# Altium PCB smart-ring-main.PcbDoc (part 4 of 6)
Units mm, origin at the board's own origin, x right, y up, seen from the top; angles counter-clockwise.
Board outline 62.7 x 25.3 mm, 6 copper layers (S1 Copper top, S2 Flex copper top, S3 Flex copper inner 1, S4 Flex copper inner 2, S5 Flex copper bottom, S6 Copper bottom), stack 0.511 mm thick; 75 components, 47 nets, 265 pads, 262 vias.
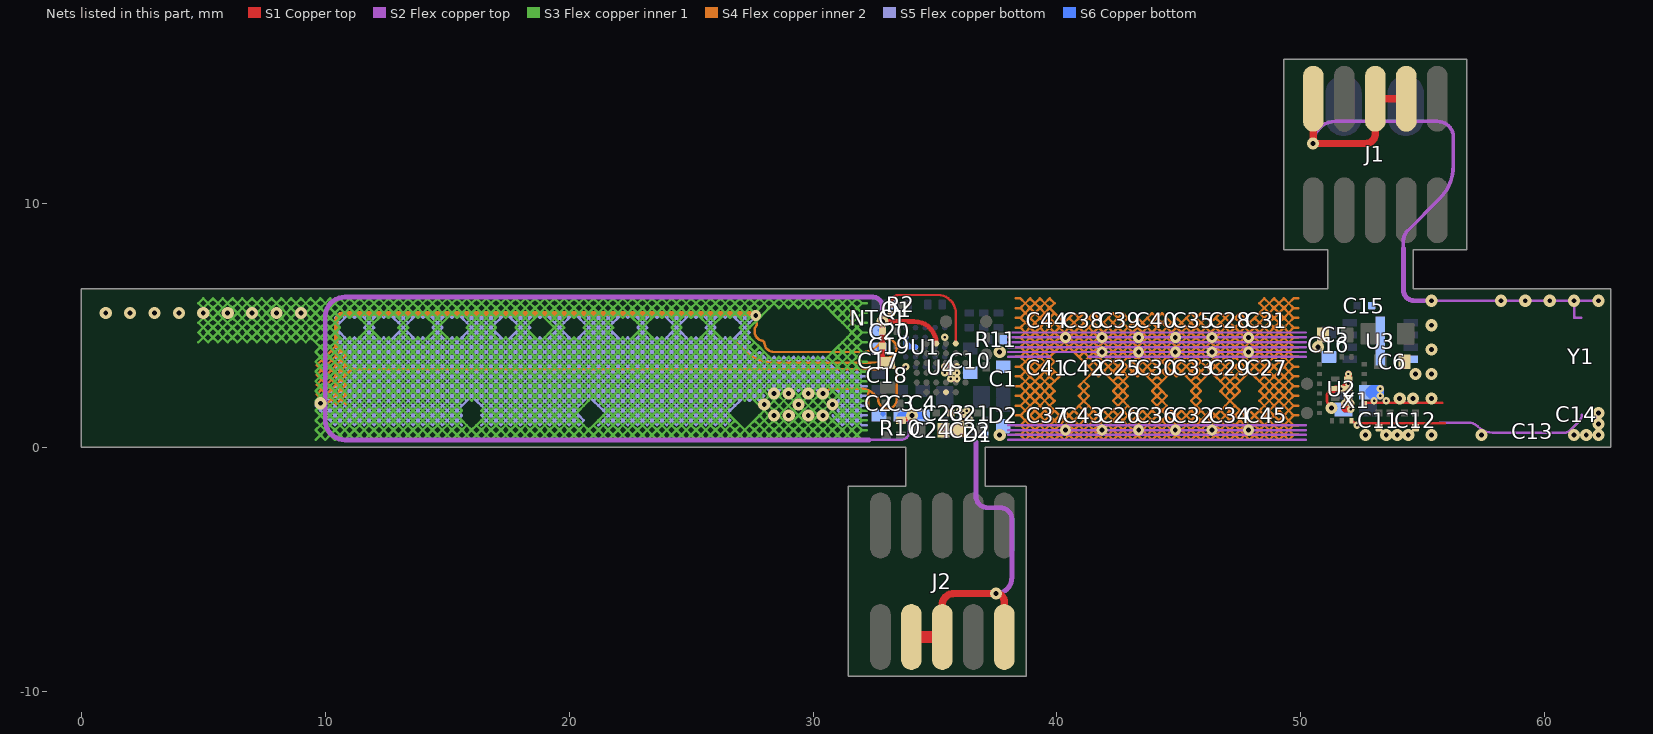
[diagram p8: the nets of this part, all layers, seen from the top]

## Via types
v1: diameter 0.45, hole 0.2, S2 Flex copper top to S5 Flex copper bottom, tented both sides, 61 vias
v2: diameter 0.5/0.5/0.5/0.5 (per signal layer), hole 0.2, S2 Flex copper top to S5 Flex copper bottom, 60 vias
v3: diameter 0.25/0.3 (per signal layer), hole 0.1, S1 Copper top to S2 Flex copper top, tented both sides, 40 vias
v4: diameter 0.4/0.5/0.5/0.5/0.5/0.4 (per signal layer), hole 0.2, S1 Copper top to S6 Copper bottom, tented both sides, 35 vias
v5: diameter 0.3/0.25 (per signal layer), hole 0.1, S5 Flex copper bottom to S6 Copper bottom, tented both sides, 34 vias
v6: diameter 0.5/0.5/0.5/0.5 (per signal layer), hole 0.2, S2 Flex copper top to S5 Flex copper bottom, tented both sides, 12 vias
v7: diameter 0.25, hole 0.1, S1 Copper top to S2 Flex copper top, tented both sides, 10 vias
v8: diameter 0.45/0.45/0.45/0.45 (per signal layer), hole 0.2, S2 Flex copper top to S5 Flex copper bottom, tented both sides, 4 vias
v9: diameter 0.4/0.45/0.45/0.45/0.45/0.4 (per signal layer), hole 0.2, S1 Copper top to S6 Copper bottom, tented both sides, 3 vias
v10: diameter 0.4, hole 0.2, S1 Copper top to S6 Copper bottom, tented both sides, 2 vias
v11: diameter 0.4/0.5/0.5/0.5/0.4/0.4 (per signal layer), hole 0.2, S1 Copper top to S6 Copper bottom, tented both sides, 1 vias

## Nets (pads, with @x,y where several pads share a name; then routed paths per layer and width w, separated by ;. In a path a pad name is that pad's centre, name@x,y a point inside that pad or via, vN(x,y) a via of type N, cw(c..) or ccw(c..) an arc to the next point about the centre after c; other vN are vias at no path point) (continued)
GND: (continued)
  S5 Flex copper bottom w0.1: 12.4,5.3 12.6,5.5 12.8,5.3 ; 12.4,5.301 12.201,5.5 12,5.3 ; 15.601,0.9 15.401,1.1 ; 15.6,5.301 15.401,5.5 15.2,5.3 15,5.5 14.8,5.3 ; 16.401,0.9 16.601,1.1 ; 18.801,5.3 19.001,5.5 19.201,5.3 ; 18.801,5.3 18.601,5.5 18.401,5.3 ; 19.401,5.1 19.201,5.3 ; 19.401,5.5 19.601,5.3 ; 19.401,5.5 19.201,5.3 ; 21.201,0.9 21.401,1.1 ; 25.801,3.099 26.001,2.899 ; v1@27.525,5.375 27.401,5.499 27.201,5.299 ; v1(27.65,5.4) 27.65,5.349 27.401,5.099 ; pad.1@30.801,1.299 31.001,1.099 ; pad.1@31.001,1.899 31.201,1.699 ; pad.1@31.001,1.899 31.201,2.099 ; 32.201,0.899 32.001,0.899 31.801,1.099 ; 32.201,1.299 32.001,1.299 ; 32.201,1.699 32.001,1.699 ; 32.201,2.099 32.001,2.099 ; 32.201,2.499 32.001,2.499 ; 32.201,2.899 32.001,2.899 ; 9.8,1.5 9.65,1.65 9.6,1.7 v6@9.8,1.9 ; 9.8,1.5 v6@10,1.7 ; 9.8,1.5 10,1.3 ; v6@9.8,1.9 v6@10,1.7 ; v6@9.8,1.9 10,2.1 ; 10,1.3 10.2,1.5 ; 10,1.3 10.2,1.1 ; v6@10,1.7 10.2,1.9 ; v6@10,1.7 10.2,1.5 ; 10,2.1 10.2,2.3 ; 10,2.1 10.2,1.9 ; 10.2,1.1 10.4,1.3 ; 10.2,1.1 10.4,0.9 10.6,1.1 ; 10.2,1.5 10.4,1.7 ; 10.2,1.5 10.4,1.3 ; 10.2,1.9 10.4,2.1 ; 10.2,1.9 10.4,1.7 ; 10.2,2.3 10.4,2.5 ; 10.2,2.3 10.4,2.1 ; 10.4,1.3 10.6,1.1 ; 10.4,1.3 10.6,1.5 ; 10.4,1.7 10.6,1.5 ; 10.4,1.7 10.6,1.9 ; 10.4,2.1 10.6,1.9 ; 10.4,2.1 10.6,2.3 ; 10.4,2.5 10.6,2.3 ; 10.4,2.5 10.6,2.7 ; 10.6,1.1 10.8,0.9 11,1.1 ; 10.6,1.1 10.8,1.3 ; 10.6,1.5 10.8,1.3 ; 10.6,1.5 10.8,1.7 ; 10.6,1.9 10.8,1.7 ; 10.6,1.9 10.8,2.1 ; 10.6,2.3 10.8,2.5 ; 10.6,2.3 10.8,2.1 ; 10.6,2.7 10.8,2.9 ; 10.6,2.7 10.4,2.9 10.6,3.1 ; 10.6,2.7 10.8,2.5 ; 10.6,3.1 10.8,2.9 ; 10.6,3.1 10.4,3.3 10.6,3.5 ; 10.6,3.1 10.8,3.3 ; 10.6,3.5 10.8,3.7 ; 10.6,3.5 10.4,3.7 10.6,3.9 ; 10.6,3.5 10.8,3.3 ; 10.6,3.9 10.8,4.1 ; 10.6,3.9 10.4,4.1 10.6,4.3 ; 10.6,3.9 10.8,3.7 ; 10.6,4.3 10.8,4.1 ; 10.6,4.3 10.4,4.5 10.6,4.7 ; 10.6,4.3 10.8,4.5 ; 10.6,4.7 10.4,4.9 10.6,5.1 ; 10.6,4.7 10.8,4.5 ; 10.6,5.1 10.4,5.3 10.6,5.5 10.8,5.3 ; 10.6,5.1 10.8,5.3 ; 10.8,1.3 11,1.5 ; 10.8,1.3 11,1.1 ; 10.8,1.7 11,1.9 ; 10.8,1.7 11,1.5 ; 10.8,2.1 11,1.9 ; 10.8,2.1 11,2.3 ; 10.8,2.5 11,2.7 ; 10.8,2.5 11,2.3 ; 10.8,2.9 11,3.1 ; 10.8,2.9 11,2.7 ; 10.8,3.3 11,3.1 ; 10.8,3.3 11,3.5 ; 10.8,3.7 11,3.9 ; 10.8,3.7 11,3.5 ; 10.8,4.1 11,4.3 ; 10.8,4.1 11,3.9 ; 10.8,4.5 11,4.3 ; 10.8,5.3 11,5.5 11.2,5.3 11.4,5.5 11.6,5.3 ; 11,1.1 11.2,0.9 11.4,1.1 ; 11,1.1 11.2,1.3 ; 11,1.5 11.2,1.7 ; 11,1.5 11.2,1.3 ; 11,1.9 11.2,1.7 ; 11,1.9 11.2,2.1 ; 11,2.3 11.2,2.5 ; 11,2.3 11.2,2.1 ; 11,2.7 11.2,2.9 ; 11,2.7 11.2,2.5 ; 11,3.1 11.2,2.9 ; 11,3.1 11.2,3.3 ; 11,3.5 11.2,3.7 ; 11,3.5 11.2,3.3 ; 11,3.9 11.2,4.1 ; 11,3.9 11.2,3.7 ; 11,4.3 11.2,4.1 ; 11,4.3 11.2,4.5 11.4,4.3 ; 11.2,1.3 11.4,1.5 ; 11.2,1.3 11.4,1.1 ; 11.2,1.7 11.4,1.9 ; 11.2,1.7 11.4,1.5 ; 11.2,2.1 11.4,1.9 ; 11.2,2.1 11.4,2.3 ; 11.2,2.5 11.4,2.7 ; 11.2,2.5 11.4,2.3 ; 11.2,2.9 11.4,3.1 ; 11.2,2.9 11.4,2.7 ; 11.2,3.3 11.4,3.5 ; 11.2,3.3 11.4,3.1 ; 11.2,3.7 11.4,3.9 ; 11.2,3.7 11.4,3.5 ; 11.2,4.1 11.4,4.3 ; 11.2,4.1 11.4,3.9 ; 11.4,1.1 11.6,0.9 11.8,1.1 ; 11.4,1.1 11.6,1.3 ; 11.4,1.5 11.6,1.7 ; 11.4,1.5 11.6,1.3 ; 11.4,1.9 11.6,2.1 ; 11.4,1.9 11.6,1.7 ; 11.4,2.3 11.6,2.5 ; 11.4,2.3 11.6,2.1 ; 11.4,2.7 11.6,2.9 ; 11.4,2.7 11.6,2.5 ; 11.4,3.1 11.6,2.9 ; 11.4,3.1 11.6,3.3 ; 11.4,3.5 11.6,3.7 ; 11.4,3.5 11.6,3.3 ; 11.4,3.9 11.6,4.1 ; 11.4,3.9 11.6,3.7 ; 11.4,4.3 11.6,4.1 ; 11.4,4.3 11.6,4.5 ; 11.6,1.3 11.8,1.1 ; 11.6,1.3 11.8,1.5 ; 11.6,1.7 11.8,1.9 ; 11.6,1.7 11.8,1.5 ; 11.6,2.1 11.8,2.3 ; 11.6,2.1 11.8,1.9 ; 11.6,2.5 11.8,2.3 ; 11.6,2.5 11.8,2.7 ; 11.6,2.9 11.8,3.1 ; 11.6,2.9 11.8,2.7 ; 11.6,3.3 11.8,3.5 ; 11.6,3.3 11.8,3.1 ; 11.6,3.7 11.8,3.9 ; 11.6,3.7 11.8,3.5 ; 11.6,4.1 11.8,3.9 ; 11.6,4.1 11.8,4.3 ; 11.6,4.5 11.8,4.7 ; 11.6,4.5 11.8,4.3 ; 11.6,5.3 11.8,5.5 12,5.3 ; 11.6,5.3 11.8,5.1 ; 11.8,1.1 12,1.3 ; 11.8,1.1 12,0.9 12.2,1.1 ; 11.8,1.5 12,1.3 ; 11.8,1.5 12,1.7 ; 11.8,1.9 12,2.1 ; 11.8,1.9 12,1.7 ; 11.8,2.3 12,2.5 ; 11.8,2.3 12,2.1 ; 11.8,2.7 12,2.5 ; 11.8,2.7 12,2.9 ; 11.8,3.1 12,3.3 ; 11.8,3.1 12,2.9 ; 11.8,3.5 12,3.3 ; 11.8,3.5 12,3.7 ; 11.8,3.9 12,4.1 ; 11.8,3.9 12,3.7 ; 11.8,4.3 12,4.1 ; 11.8,4.3 12,4.5 ; 11.8,4.7 11.6,4.9 11.8,5.1 ; 11.8,4.7 12,4.5 ; 11.8,4.7 12,4.9 11.8,5.1 ; 11.8,5.1 12,5.3 ; 12,1.3 12.2,1.5 ; 12,1.3 12.2,1.1 ; 12,1.7 12.2,1.9 ; 12,1.7 12.2,1.5 ; 12,2.1 12.2,2.3 ; 12,2.1 12.2,1.9 ; 12,2.5 12.2,2.7 ; 12,2.5 12.2,2.3 ; 12,2.9 12.2,2.7 ; 12,2.9 12.2,3.1 ; 12,3.3 12.2,3.5 ; 12,3.3 12.2,3.1 ; 12,3.7 12.2,3.5 ; 12,3.7 12.2,3.9 ; 12,4.1 12.2,3.9 ; 12,4.1 12.2,4.3 ; 12,4.5 12.2,4.3 ; 12.2,1.1 12.4,0.9 12.6,1.1 ; 12.2,1.1 12.4,1.3 ; 12.2,1.5 12.4,1.3 ; 12.2,1.5 12.4,1.7 ; 12.2,1.9 12.4,1.7 ; 12.2,1.9 12.4,2.1 ; 12.2,2.3 12.4,2.1 ; 12.2,2.3 12.4,2.5 ; 12.2,2.7 12.4,2.9 ; 12.2,2.7 12.4,2.5 ; 12.2,3.1 12.4,2.9 ; 12.2,3.1 12.4,3.3 ; 12.2,3.5 12.4,3.7 ; 12.2,3.5 12.4,3.3 ; 12.2,3.9 12.4,4.1 ; 12.2,3.9 12.4,3.7 ; 12.2,4.3 12.4,4.5 12.6,4.3 ; 12.2,4.3 12.4,4.1 ; 12.4,1.3 12.6,1.5 ; 12.4,1.3 12.6,1.1 ; 12.4,1.7 12.6,1.9 ; 12.4,1.7 12.6,1.5 ; 12.4,2.1 12.6,1.9 ; 12.4,2.1 12.6,2.3 ; 12.4,2.5 12.6,2.3 ; 12.4,2.5 12.6,2.7 ; 12.4,2.9 12.6,2.7 ; 12.4,2.9 12.6,3.1 ; 12.4,3.3 12.6,3.5 ; 12.4,3.3 12.6,3.1 ; 12.4,3.7 12.6,3.9 ; 12.4,3.7 12.6,3.5 ; 12.4,4.1 12.6,3.9 ; 12.4,4.1 12.6,4.3 ; 12.6,1.1 12.8,0.9 13,1.1 ; 12.6,1.1 12.8,1.3 ; 12.6,1.5 12.8,1.3 ; 12.6,1.5 12.8,1.7 ; 12.6,1.9 12.8,2.1 ; 12.6,1.9 12.8,1.7 ; 12.6,2.3 12.8,2.5 ; 12.6,2.3 12.8,2.1 ; 12.6,2.7 12.8,2.5 ; 12.6,2.7 12.8,2.9 ; 12.6,3.1 12.8,2.9 ; 12.6,3.1 12.8,3.3 ; 12.6,3.5 12.8,3.7 ; 12.6,3.5 12.8,3.3 ; 12.6,3.9 12.8,4.1 ; 12.6,3.9 12.8,3.7 ; 12.6,4.3 12.8,4.5 ; 12.6,4.3 12.8,4.1 ; 12.8,1.3 13,1.5 ; 12.8,1.3 13,1.1 ; 12.8,1.7 13,1.9 ; 12.8,1.7 13,1.5 ; 12.8,2.1 13,1.9 ; 12.8,2.1 13,2.3 ; 12.8,2.5 13,2.7 ; 12.8,2.5 13,2.3 ; 12.8,2.9 13,2.7 ; 12.8,2.9 13,3.1 ; 12.8,3.3 13,3.5 ; 12.8,3.3 13,3.1 ; 12.8,3.7 13,3.5 ; 12.8,3.7 13,3.9 ; 12.8,4.1 13,3.9 ; 12.8,4.1 13,4.3 ; 12.8,4.5 13,4.7 ; 12.8,4.5 13,4.3 ; 12.8,5.3 13,5.5 13.2,5.3 ; 12.8,5.3 13,5.1 ; 13,1.1 13.2,0.9 13.4,1.1 ; 13,1.1 13.2,1.3 ; 13,1.5 13.2,1.7 ; 13,1.5 13.2,1.3 ; 13,1.9 13.2,2.1 ; 13,1.9 13.2,1.7 ; 13,2.3 13.2,2.5 ; 13,2.3 13.2,2.1 ; 13,2.7 13.2,2.9 ; 13,2.7 13.2,2.5 ; 13.001,3.1 13.2,2.9 ; 13.001,3.1 13.2,3.3 ; 13,3.5 13.2,3.7 ; 13,3.5 13.2,3.3 ; 13,3.9 13.2,4.1 ; 13,3.9 13.2,3.7 ; 13,4.3 13.2,4.5 ; 13,4.3 13.2,4.1 ; 13,4.7 13.2,4.5 ; 13,4.7 13.2,4.9 ; 13,5.1 13.2,4.9 ; 13,5.1 13.2,5.3 ; 13.2,1.3 13.4,1.5 ; 13.2,1.3 13.4,1.1 ; 13.2,1.7 13.4,1.9 ; 13.2,1.7 13.4,1.5 ; 13.2,2.1 13.4,1.9 ; 13.2,2.1 13.4,2.3 ; 13.2,2.5 13.4,2.7 ; 13.2,2.5 13.4,2.3 ; 13.2,2.9 13.4,2.7 ; 13.2,2.9 13.4,3.1 ; 13.2,3.3 13.4,3.5 ; 13.2,3.3 13.4,3.1 ; 13.2,3.7 13.4,3.9 ; 13.2,3.7 13.4,3.5 ; 13.2,4.1 13.4,3.9 ; 13.2,4.1 13.4,4.3 ; 13.2,4.5 13.4,4.3 ; 13.2,4.5 13.4,4.7 ; 13.2,4.9 13.4,4.7 ; 13.2,4.9 13.4,5.1 ; 13.2,5.3 13.4,5.5 13.6,5.3 ; 13.2,5.3 13.4,5.1 ; 13.4,1.1 13.6,0.9 13.8,1.1 ; 13.4,1.1 13.6,1.3 ; 13.4,1.5 13.6,1.3 ; 13.4,1.5 13.6,1.7 ; 13.4,1.9 13.6,2.1 ; 13.4,1.9 13.6,1.7 ; 13.4,2.3 13.6,2.5 ; 13.4,2.3 13.6,2.1 ; 13.4,2.7 13.6,2.5 ; 13.4,2.7 13.6,2.9 ; 13.4,3.1 13.6,2.9 ; 13.4,3.1 13.6,3.3 ; 13.4,3.5 13.6,3.7 ; 13.4,3.5 13.6,3.3 ; 13.4,3.9 13.6,4.1 ; 13.4,3.9 13.6,3.7 ; 13.4,4.3 13.6,4.1 ; 13.4,4.3 13.6,4.5 ; 13.4,4.7 13.6,4.5 ; 13.4,5.1 13.6,5.3 ; 13.6,1.3 13.8,1.5 ; 13.6,1.3 13.8,1.1 ; 13.6,1.7 13.8,1.9 ; 13.6,1.7 13.8,1.5 ; 13.6,2.1 13.8,1.9 ; 13.6,2.1 13.8,2.3 ; 13.6,2.5 13.8,2.3 ; 13.6,2.5 13.8,2.7 ; 13.6,2.9 13.8,2.7 ; 13.6,2.9 13.8,3.1 ; 13.6,3.3 13.8,3.5 ; 13.6,3.3 13.8,3.1 ; 13.6,3.7 13.8,3.5 ; 13.6,3.7 13.8,3.9 ; 13.6,4.1 13.8,3.9 ; 13.6,4.1 13.8,4.3 ; 13.6,4.5 13.8,4.3 ; 13.6,5.3 13.8,5.5 14,5.3 14.2,5.5 14.4,5.3 ; 13.8,1.1 14.001,0.9 14.201,1.1 ; 13.8,1.1 14,1.3 ; 13.8,1.5 14,1.3 ; 13.8,1.5 14,1.7 ; 13.8,1.9 14,1.7 ; 13.8,1.9 14,2.1 ; 13.8,2.3 14,2.5 ; 13.8,2.3 14,2.1 ; 13.8,2.7 14,2.9 ; 13.8,2.7 14,2.5 ; 13.8,3.1 14,2.9 ; 13.8,3.1 14,3.3 ; 13.8,3.5 14,3.7 ; 13.8,3.5 14,3.3 ; 13.8,3.9 14,4.1 ; 13.8,3.9 14,3.7 ; 13.8,4.3 14,4.1 ; 13.8,4.3 14,4.5 14.2,4.3 ; 14,1.3 14.2,1.5 ; 14,1.3 14.201,1.1 ; 14,1.7 14.2,1.9 ; 14,1.7 14.2,1.5 ; 14,2.1 14.2,1.9 ; 14,2.1 14.2,2.3 ; 14,2.5 14.2,2.7 ; 14,2.5 14.2,2.3 ; 14,2.9 14.2,3.1 ; 14,2.9 14.2,2.7 ; 14,3.3 14.2,3.1 ; 14,3.3 14.2,3.5 ; 14,3.7 14.2,3.9 ; 14,3.7 14.2,3.5 ; 14,4.1 14.2,3.9 ; 14,4.1 14.2,4.3 ; 14.201,1.1 14.401,0.9 14.601,1.1 ; 14.201,1.1 14.401,1.3 ; 14.2,1.5 14.4,1.7 ; 14.2,1.5 14.401,1.3 ; 14.2,1.9 14.4,1.7 ; 14.2,1.9 14.4,2.1 ; 14.2,2.3 14.4,2.5 ; 14.2,2.3 14.4,2.1 ; 14.2,2.7 14.4,2.9 ; 14.2,2.7 14.4,2.5 ; 14.2,3.1 14.4,2.9 ; 14.2,3.1 14.4,3.3 ; 14.2,3.5 14.4,3.7 ; 14.2,3.5 14.4,3.3 ; 14.2,3.9 14.4,4.1 ; 14.2,3.9 14.4,3.7 ; 14.2,4.3 14.4,4.1 ; 14.2,4.3 14.4,4.5 ; 14.401,1.3 14.601,1.5 ; 14.401,1.3 14.601,1.1 ; 14.4,1.7 14.6,1.9 ; 14.4,1.7 14.601,1.5 ; 14.4,2.1 14.6,1.9 ; 14.4,2.1 14.6,2.3 ; 14.4,2.5 14.6,2.7 ; 14.4,2.5 14.6,2.3 ; 14.4,2.9 14.6,3.1 ; 14.4,2.9 14.6,2.7 ; 14.4,3.3 14.6,3.5 ; 14.4,3.3 14.6,3.1 ; 14.4,3.7 14.6,3.9 ; 14.4,3.7 14.6,3.5 ; 14.4,4.1 14.6,4.3 ; 14.4,4.1 14.6,3.9 ; 14.4,4.5 14.6,4.3 ; 14.4,4.5 14.6,4.7 ; 14.4,5.3 14.6,5.5 14.8,5.3 ; 14.4,5.3 14.6,5.1 ; 14.601,1.1 14.801,0.9 15.001,1.1 ; 14.601,1.1 14.801,1.3 ; 14.601,1.5 14.801,1.7 ; 14.601,1.5 14.801,1.3 ; 14.6,1.9 14.8,2.1 ; 14.6,1.9 14.801,1.7 ; 14.6,2.3 14.8,2.5 ; 14.6,2.3 14.8,2.1 ; 14.6,2.7 14.8,2.9 ; 14.6,2.7 14.8,2.5 ; 14.6,3.1 14.8,2.9 ; 14.6,3.1 14.8,3.3 ; 14.6,3.5 14.8,3.7 ; 14.6,3.5 14.8,3.3 ; 14.6,3.9 14.8,4.1 ; 14.6,3.9 14.8,3.7 ; 14.6,4.3 14.8,4.1 ; 14.6,4.3 14.8,4.5 ; 14.6,4.7 14.8,4.9 14.6,5.1 ; 14.6,4.7 14.8,4.5 ; 14.6,4.7 14.4,4.9 14.6,5.1 ; 14.6,5.1 14.8,5.3 ; 14.801,1.3 15.001,1.1 ; 14.801,1.3 15.001,1.5 ; 14.801,1.7 15.001,1.9 ; 14.801,1.7 15.001,1.5 ; 14.8,2.1 15,2.3 ; 14.8,2.1 15.001,1.9 ; 14.8,2.5 15,2.3 ; 14.8,2.5 15,2.7 ; 14.8,2.9 15,3.1 ; 14.8,2.9 15,2.7 ; 14.8,3.3 15,3.5 ; 14.8,3.3 15,3.1 ; 14.8,3.7 15,3.9 ; 14.8,3.7 15,3.5 ; 14.8,4.1 15,3.9 ; 14.8,4.1 15,4.3 ; 14.8,4.5 15,4.3 ; 15.001,1.1 15.201,1.3 ; 15.001,1.1 15.201,0.9 15.401,1.1 ; 15.001,1.5 15.201,1.3 ; 15.001,1.5 15.201,1.7 ; 15.001,1.9 15.201,2.1 ; 15.001,1.9 15.201,1.7 ; 15,2.3 15.2,2.5 ; 15,2.3 15.201,2.1 ; 15,2.7 15.2,2.5 ; 15,2.7 15.2,2.9 ; 15,3.1 15.2,3.3 ; 15,3.1 15.2,2.9 ; 15,3.5 15.2,3.3 ; 15,3.5 15.2,3.7 ; 15,3.9 15.2,3.7 ; 15,3.9 15.2,4.1 ; 15,4.3 15.2,4.1 ; 15,4.3 15.2,4.5 15.4,4.3 ; 15.201,1.3 15.401,1.5 ; 15.201,1.3 15.401,1.1 ; 15.201,1.7 15.401,1.9 ; 15.201,1.7 15.401,1.5 ; 15.201,2.1 15.401,2.3 ; 15.201,2.1 15.401,1.9 ; 15.2,2.5 15.4,2.7 ; 15.2,2.5 15.401,2.3 ; 15.2,2.9 15.4,2.7 ; 15.2,2.9 15.4,3.1 ; 15.2,3.3 15.4,3.5 ; 15.2,3.3 15.4,3.1 ; 15.2,3.7 15.4,3.5 ; 15.2,3.7 15.4,3.9 ; 15.2,4.1 15.4,3.9 ; 15.2,4.1 15.4,4.3 ; 15.401,1.1 15.601,1.3 15.401,1.5 ; 15.401,1.5 15.601,1.7 ; 15.401,1.9 15.601,1.7 ; 15.401,1.9 15.601,2.1 ; 15.401,2.3 15.601,2.1 ; 15.401,2.3 15.601,2.5 ; 15.4,2.7 15.6,2.9 ; 15.4,2.7 15.601,2.5 ; 15.4,3.1 15.6,2.9 ; 15.4,3.1 15.6,3.3 ; 15.4,3.5 15.6,3.7 ; 15.4,3.5 15.6,3.3 ; 15.4,3.9 15.6,4.1 ; 15.4,3.9 15.6,3.7 ; 15.4,4.3 15.6,4.5 ; 15.4,4.3 15.6,4.1 ; 15.601,1.7 15.801,1.9 ; 15.601,2.1 15.801,1.9 ; 15.601,2.1 15.801,2.3 ; 15.601,2.5 15.801,2.3 ; 15.601,2.5 15.801,2.7 ; 15.6,2.9 15.801,2.7 ; 15.6,2.9 15.8,3.1 ; 15.6,3.3 15.8,3.5 ; 15.6,3.3 15.8,3.1 ; 15.6,3.7 15.8,3.9 ; 15.6,3.7 15.8,3.5 ; 15.6,4.1 15.8,3.9 ; 15.6,4.1 15.8,4.3 ; 15.6,4.5 15.8,4.7 ; 15.6,4.5 15.8,4.3 ; 15.801,1.9 16.001,2.1 ; 15.801,2.3 16.001,2.5 ; 15.801,2.3 16.001,2.1 ; 15.801,2.7 16.001,2.5 ; 15.801,2.7 16.001,2.9 ; 15.8,3.1 16.001,2.9 ; 15.8,3.1 16,3.3 ; 15.8,3.5 16,3.7 ; 15.8,3.5 16,3.3 ; 15.8,3.9 16,4.1 ; 15.8,3.9 16,3.7 ; 15.8,4.3 16,4.5 ; 15.8,4.3 16,4.1 ; 15.8,4.7 16,4.9 ; 15.8,4.7 16,4.5 ; 15.8,5.1 16,4.9 ; 15.8,5.1 16,5.3 ; 15.8,5.1 15.6,5.3 15.8,5.5 16,5.3 ; 16,3.3 16.2,3.5 ; 16,3.3 16.201,3.1 ; 16,3.7 16.2,3.5 ; 16,3.7 16.2,3.9 ; 16,4.1 16.2,3.9 ; 16,4.1 16.2,4.3 ; 16,4.5 16.2,4.7 ; 16,4.5 16.2,4.3 ; 16,4.9 16.2,5.1 ; 16,4.9 16.2,4.7 ; 16,5.3 16.2,5.5 16.401,5.3 ; 16,5.3 16.2,5.1 ; 16.001,2.1 16.201,1.9 ; 16.001,2.1 16.201,2.3 ; 16.001,2.5 16.201,2.7 ; 16.001,2.5 16.201,2.3 ; 16.001,2.9 16.201,2.7 ; 16.001,2.9 16.201,3.1 ; 16.201,1.9 16.401,2.1 ; 16.201,1.9 16.401,1.7 ; 16.201,2.3 16.401,2.1 ; 16.201,2.3 16.401,2.5 ; 16.201,2.7 16.401,2.9 ; 16.201,2.7 16.401,2.5 ; 16.201,3.1 16.401,3.3 ; 16.201,3.1 16.401,2.9 ; 16.201,3.5 16.401,3.3 ; 16.201,3.5 16.401,3.7 ; 16.201,3.9 16.401,3.7 ; 16.201,3.9 16.401,4.1 ; 16.201,4.3 16.401,4.1 ; 16.201,4.3 16.401,4.5 ; 16.201,4.7 16.401,4.9 ; 16.201,4.7 16.401,4.5 ; 16.201,5.1 16.401,5.3 ; 16.201,5.1 16.401,4.9 ; 16.401,1.7 16.601,1.5 ; 16.401,1.7 16.601,1.9 ; 16.401,2.1 16.601,2.3 ; 16.401,2.1 16.601,1.9 ; 16.401,2.5 16.601,2.3 ; 16.401,2.5 16.601,2.7 ; 16.401,2.9 16.601,3.1 ; 16.401,2.9 16.601,2.7 ; 16.401,3.3 16.601,3.1 ; 16.401,3.3 16.601,3.5 ; 16.401,3.7 16.601,3.5 ; 16.401,3.7 16.601,3.9 ; 16.401,4.1 16.601,4.3 ; 16.401,4.1 16.601,3.9 ; 16.401,4.5 16.601,4.7 ; 16.401,4.5 16.601,4.3 ; 16.401,4.9 16.601,5.1 ; 16.401,4.9 16.601,4.7 ; 16.401,5.3 16.601,5.1 ; 16.401,5.3 16.601,5.5 16.801,5.3 ; 16.601,1.1 16.801,1.3 ; 16.601,1.1 16.801,0.9 17.001,1.1 ; 16.601,1.1 16.401,1.3 16.601,1.5 ; 16.601,1.5 16.801,1.7 ; 16.601,1.5 16.801,1.3 ; 16.601,1.9 16.801,1.7 ; 16.601,1.9 16.801,2.1 ; 16.601,2.3 16.801,2.1 ; 16.601,2.3 16.801,2.5 ; 16.601,2.7 16.801,2.9 ; 16.601,2.7 16.801,2.5 ; 16.601,3.1 16.801,3.3 ; 16.601,3.1 16.801,2.9 ; 16.601,3.5 16.801,3.3 ; 16.601,3.5 16.801,3.7 ; 16.601,3.9 16.801,3.7 ; 16.601,3.9 16.801,4.1 ; 16.601,4.3 16.801,4.5 ; 16.601,4.3 16.801,4.1 ; 16.601,4.7 16.801,4.9 ; 16.601,4.7 16.801,4.5 ; 16.601,5.1 16.801,5.3 ; 16.601,5.1 16.801,4.9 ; 16.801,1.3 17.001,1.1 ; 16.801,1.3 17.001,1.5 ; 16.801,1.7 17.001,1.5 ; 16.801,1.7 17.001,1.9 ; 16.801,2.1 17.001,2.3 ; 16.801,2.1 17.001,1.9 ; 16.801,2.5 17.001,2.7 ; 16.801,2.5 17.001,2.3 ; 16.801,2.9 17.001,3.1 ; 16.801,2.9 17.001,2.7 ; 16.801,3.3 17.001,3.1 ; 16.801,3.3 17.001,3.5 ; 16.801,3.7 17.001,3.9 ; 16.801,3.7 17.001,3.5 ; 16.801,4.1 17.001,4.3 ; 16.801,4.1 17.001,3.9 ; 16.801,4.5 17.001,4.7 ; 16.801,4.5 17.001,4.3 ; 16.801,4.9 17.001,5.1 ; 16.801,4.9 17.001,4.7 ; 16.801,5.3 17.001,5.1 ; 16.801,5.3 17.001,5.5 17.201,5.3 ; 17.001,1.1 17.201,1.3 ; 17.001,1.1 17.201,0.9 17.401,1.1 ; 17.001,1.5 17.201,1.7 ; 17.001,1.5 17.201,1.3 ; 17.001,1.9 17.201,2.1 ; 17.001,1.9 17.201,1.7 ; 17.001,2.3 17.201,2.5 ; 17.001,2.3 17.201,2.1 ; 17.001,2.7 17.201,2.9 ; 17.001,2.7 17.201,2.5 ; 17.001,3.1 17.201,2.9 ; 17.001,3.1 17.201,3.3 ; 17.001,3.5 17.201,3.7 ; 17.001,3.5 17.201,3.3 ; 17.001,3.9 17.201,4.1 ; 17.001,3.9 17.201,3.7 ; 17.001,4.3 17.201,4.1 ; 17.001,4.3 17.201,4.5 ; 17.001,4.7 17.201,4.5 ; 17.001,5.1 17.201,5.3 ; 17.201,1.3 17.401,1.1 ; 17.201,1.3 17.401,1.5 ; 17.201,1.7 17.401,1.5 ; 17.201,1.7 17.401,1.9 ; 17.201,2.1 17.401,2.3 ; 17.201,2.1 17.401,1.9 ; 17.201,2.5 17.401,2.7 ; 17.201,2.5 17.401,2.3 ; 17.201,2.9 17.401,2.7 ; 17.201,2.9 17.401,3.1 ; 17.201,3.3 17.401,3.1 ; 17.201,3.3 17.401,3.5 ; 17.201,3.7 17.401,3.9 ; 17.201,3.7 17.401,3.5 ; 17.201,4.1 17.401,3.9 ; 17.201,4.1 17.401,4.3 ; 17.201,4.5 17.401,4.3 ; 17.201,5.3 17.401,5.5 17.601,5.3 ; 17.401,1.1 17.601,1.3 ; 17.401,1.1 17.601,0.9 17.801,1.1 ; 17.401,1.5 17.601,1.3 ; 17.401,1.5 17.601,1.7 ; 17.401,1.9 17.601,2.1 ; 17.401,1.9 17.601,1.7 ; 17.401,2.3 17.601,2.1 ; 17.401,2.3 17.601,2.5 ; 17.401,2.7 17.601,2.9 ; 17.401,2.7 17.601,2.5 ; 17.401,3.1 17.601,2.9 ; 17.401,3.1 17.601,3.3 ; 17.401,3.5 17.601,3.3 ; 17.401,3.5 17.601,3.7 ; 17.401,3.9 17.601,4.1 ; 17.401,3.9 17.601,3.7 ; 17.401,4.3 17.601,4.1 ; 17.401,4.3 17.601,4.5 ; 17.601,1.7 17.801,1.9 ; 17.601,1.7 17.801,1.5 ; 17.601,2.1 17.801,2.3 ; 17.601,2.1 17.801,1.9 ; 17.601,2.5 17.801,2.3 ; 17.601,2.5 17.801,2.7 ; 17.601,2.9 17.801,3.1 ; 17.601,2.9 17.801,2.7 ; 17.601,3.3 17.801,3.1 ; 17.601,3.3 17.801,3.5 ; 17.601,3.7 17.801,3.5 ; 17.601,3.7 17.801,3.9 ; 17.601,4.1 17.801,4.3 ; 17.601,4.1 17.801,3.9 ; 17.601,4.5 17.801,4.7 ; 17.601,4.5 17.801,4.3 ; 17.601,5.3 17.801,5.1 ; 17.601,5.3 17.801,5.5 18.001,5.3 ; 17.601,1.3 17.801,1.1 ; 17.601,1.3 17.801,1.5 ; 17.801,1.1 18.001,1.3 ; 17.801,1.1 18.001,0.9 18.201,1.1 ; 17.801,1.5 18.001,1.7 ; 17.801,1.5 18.001,1.3 ; 17.801,1.9 18.001,2.1 ; 17.801,1.9 18.001,1.7 ; 17.801,2.3 18.001,2.1 ; 17.801,2.3 18.001,2.5 ; 17.801,2.7 18.001,2.9 ; 17.801,2.7 18.001,2.5 ; 17.801,3.1 18.001,3.3 ; 17.801,3.1 18.001,2.9 ; 17.801,3.5 18.001,3.3 ; 17.801,3.5 18.001,3.7 ; 17.801,3.9 18.001,4.1 ; 17.801,3.9 18.001,3.7 ; 17.801,4.3 18.001,4.5 ; 17.801,4.3 18.001,4.1 ; 17.801,4.7 18.001,4.5 ; 17.801,4.7 18.001,4.9 ; 17.801,5.1 18.001,5.3 ; 17.801,5.1 18.001,4.9 ; 18.001,1.3 18.201,1.5 ; 18.001,1.3 18.201,1.1 ; 18.001,1.7 18.201,1.9 ; 18.001,1.7 18.201,1.5 ; 18.001,2.1 18.201,2.3 ; 18.001,2.1 18.201,1.9 ; 18.001,2.5 18.201,2.7 ; 18.001,2.5 18.201,2.3 ; 18.001,2.9 18.201,3.1 ; 18.001,2.9 18.201,2.7 ; 18.001,3.3 18.201,3.1 ; 18.001,3.3 18.201,3.5 ; 18.001,3.7 18.201,3.9 ; 18.001,3.7 18.201,3.5 ; 18.001,4.1 18.201,3.9 ; 18.001,4.1 18.201,4.3 ; 18.001,4.5 18.201,4.3 ; 18.001,4.5 18.201,4.7 ; 18.001,4.9 18.201,5.1 ; 18.001,4.9 18.201,4.7 ; 18.001,5.3 18.201,5.1 ; 18.001,5.3 18.201,5.5 18.401,5.3 ; 18.201,1.1 18.401,0.9 18.601,1.1 ; 18.201,1.1 18.401,1.3 ; 18.201,1.5 18.401,1.7 ; 18.201,1.5 18.401,1.3 ; 18.201,1.9 18.401,2.1 ; 18.201,1.9 18.401,1.7 ; 18.201,2.3 18.401,2.5 ; 18.201,2.3 18.401,2.1 ; 18.201,2.7 18.401,2.9 ; 18.201,2.7 18.401,2.5 ; 18.201,3.1 18.401,3.3 ; 18.201,3.1 18.401,2.9 ; 18.201,3.5 18.401,3.7 ; 18.201,3.5 18.401,3.3 ; 18.201,3.9 18.401,4.1 ; 18.201,3.9 18.401,3.7 ; 18.201,4.3 18.401,4.1 ; 18.201,4.3 18.401,4.5 ; 18.201,4.7 18.401,4.9 18.201,5.1 ; 18.201,4.7 18.401,4.5 ; 18.201,5.1 18.401,5.3 ; 18.401,1.3 18.601,1.1 ; 18.401,1.3 18.601,1.5 ; 18.401,1.7 18.601,1.5 ; 18.401,1.7 18.601,1.9 ; 18.401,2.1 18.601,2.3 ; 18.401,2.1 18.601,1.9 ; 18.401,2.5 18.601,2.3 ; 18.401,2.5 18.601,2.7 ; 18.401,2.9 18.601,3.1 ; 18.401,2.9 18.601,2.7 ; 18.401,3.3 18.601,3.5 ; 18.401,3.3 18.601,3.1 ; 18.401,3.7 18.601,3.9 ; 18.401,3.7 18.601,3.5 ; 18.401,4.1 18.601,4.3 ; 18.401,4.1 18.601,3.9 ; 18.401,4.5 18.601,4.3 ; 18.601,1.1 18.801,1.3 ; 18.601,1.1 18.801,0.9 19.001,1.1 ; 18.601,1.5 18.801,1.7 ; 18.601,1.5 18.801,1.3 ; 18.601,1.9 18.801,2.1 ; 18.601,1.9 18.801,1.7 ; 18.601,2.3 18.801,2.5 ; 18.601,2.3 18.801,2.1 ; 18.601,2.7 18.801,2.5 ; 18.601,2.7 18.801,2.9 ; 18.601,3.1 18.801,3.3 ; 18.601,3.1 18.801,2.9 ; 18.601,3.5 18.801,3.3 ; 18.601,3.5 18.801,3.7 ; 18.601,3.9 18.801,3.7 ; 18.601,3.9 18.801,4.1 ; 18.601,4.3 18.801,4.5 19.001,4.3 ; 18.601,4.3 18.801,4.1 ; 18.801,1.3 19.001,1.1 ; 18.801,1.3 19.001,1.5 ; 18.801,1.7 19.001,1.5 ; 18.801,1.7 19.001,1.9 ; 18.801,2.1 19.001,2.3 ; 18.801,2.1 19.001,1.9 ; 18.801,2.5 19.001,2.7 ; 18.801,2.5 19.001,2.3 ; 18.801,2.9 19.001,3.1 ; 18.801,2.9 19.001,2.7 ; 18.801,3.3 19.001,3.1 ; 18.801,3.3 19.001,3.5 ; 18.801,3.7 19.001,3.5 ; 18.801,3.7 19.001,3.9 ; 18.801,4.1 19.001,4.3 ; 18.801,4.1 19.001,3.9 ; 19.001,1.1 19.201,1.3 ; 19.001,1.1 19.201,0.9 19.401,1.1 ; 19.001,1.5 19.201,1.7 ; 19.001,1.5 19.201,1.3 ; 19.001,1.9 19.201,1.7 ; 19.001,1.9 19.201,2.1 ; 19.001,2.3 19.201,2.1 ; 19.001,2.3 19.201,2.5 ; 19.001,2.7 19.201,2.9 ; 19.001,2.7 19.201,2.5 ; 19.001,3.1 19.201,3.3 ; 19.001,3.1 19.201,2.9 ; 19.001,3.5 19.201,3.3 ; 19.001,3.5 19.201,3.7 ; 19.001,3.9 19.201,3.7 ; 19.001,3.9 19.201,4.1 ; 19.001,4.3 19.201,4.1 ; 19.001,4.3 19.201,4.5 ; 19.201,1.3 19.401,1.5 ; 19.201,1.3 19.401,1.1 ; 19.201,1.7 19.401,1.9 ; 19.201,1.7 19.401,1.5 ; 19.201,2.1 19.401,2.3 ; 19.201,2.1 19.401,1.9 ; 19.201,2.5 19.401,2.7 ; 19.201,2.5 19.401,2.3 ; 19.201,2.9 19.401,2.7 ; 19.201,2.9 19.401,3.1 ; 19.201,3.3 19.401,3.1 ; 19.201,3.3 19.401,3.5 ; 19.201,3.7 19.401,3.9 ; 19.201,3.7 19.401,3.5 ; 19.201,4.1 19.401,4.3 ; 19.201,4.1 19.401,3.9 ; 19.201,4.5 19.401,4.3 ; 19.201,4.5 19.401,4.7 ; 19.401,1.1 19.601,0.9 19.801,1.1 ; 19.401,1.1 19.601,1.3 ; 19.401,1.5 19.601,1.7 ; 19.401,1.5 19.601,1.3 ; 19.401,1.9 19.601,2.1 ; 19.401,1.9 19.601,1.7 ; 19.401,2.3 19.601,2.5 ; 19.401,2.3 19.601,2.1 ; 19.401,2.7 19.601,2.9 ; 19.401,2.7 19.601,2.5 ; 19.401,3.1 19.601,2.9 ; 19.401,3.1 19.601,3.3 ; 19.401,3.5 19.601,3.7 ; 19.401,3.5 19.601,3.3 ; 19.401,3.9 19.601,4.1 ; 19.401,3.9 19.601,3.7 ; 19.401,4.3 19.601,4.5